# Altium PCB RP2040_GSM.PcbDoc (part 3 of 4)
Units mil, origin at the board's own origin, x right, y up, seen from the top; angles counter-clockwise.
Board outline 6397 x 3950 mil, 4 copper layers (Top Layer, GND_LAYER, PWR_LAYER, Bottom Layer), stack 43.712 mil thick; 216 components, 143 nets, 777 pads, 222 vias.
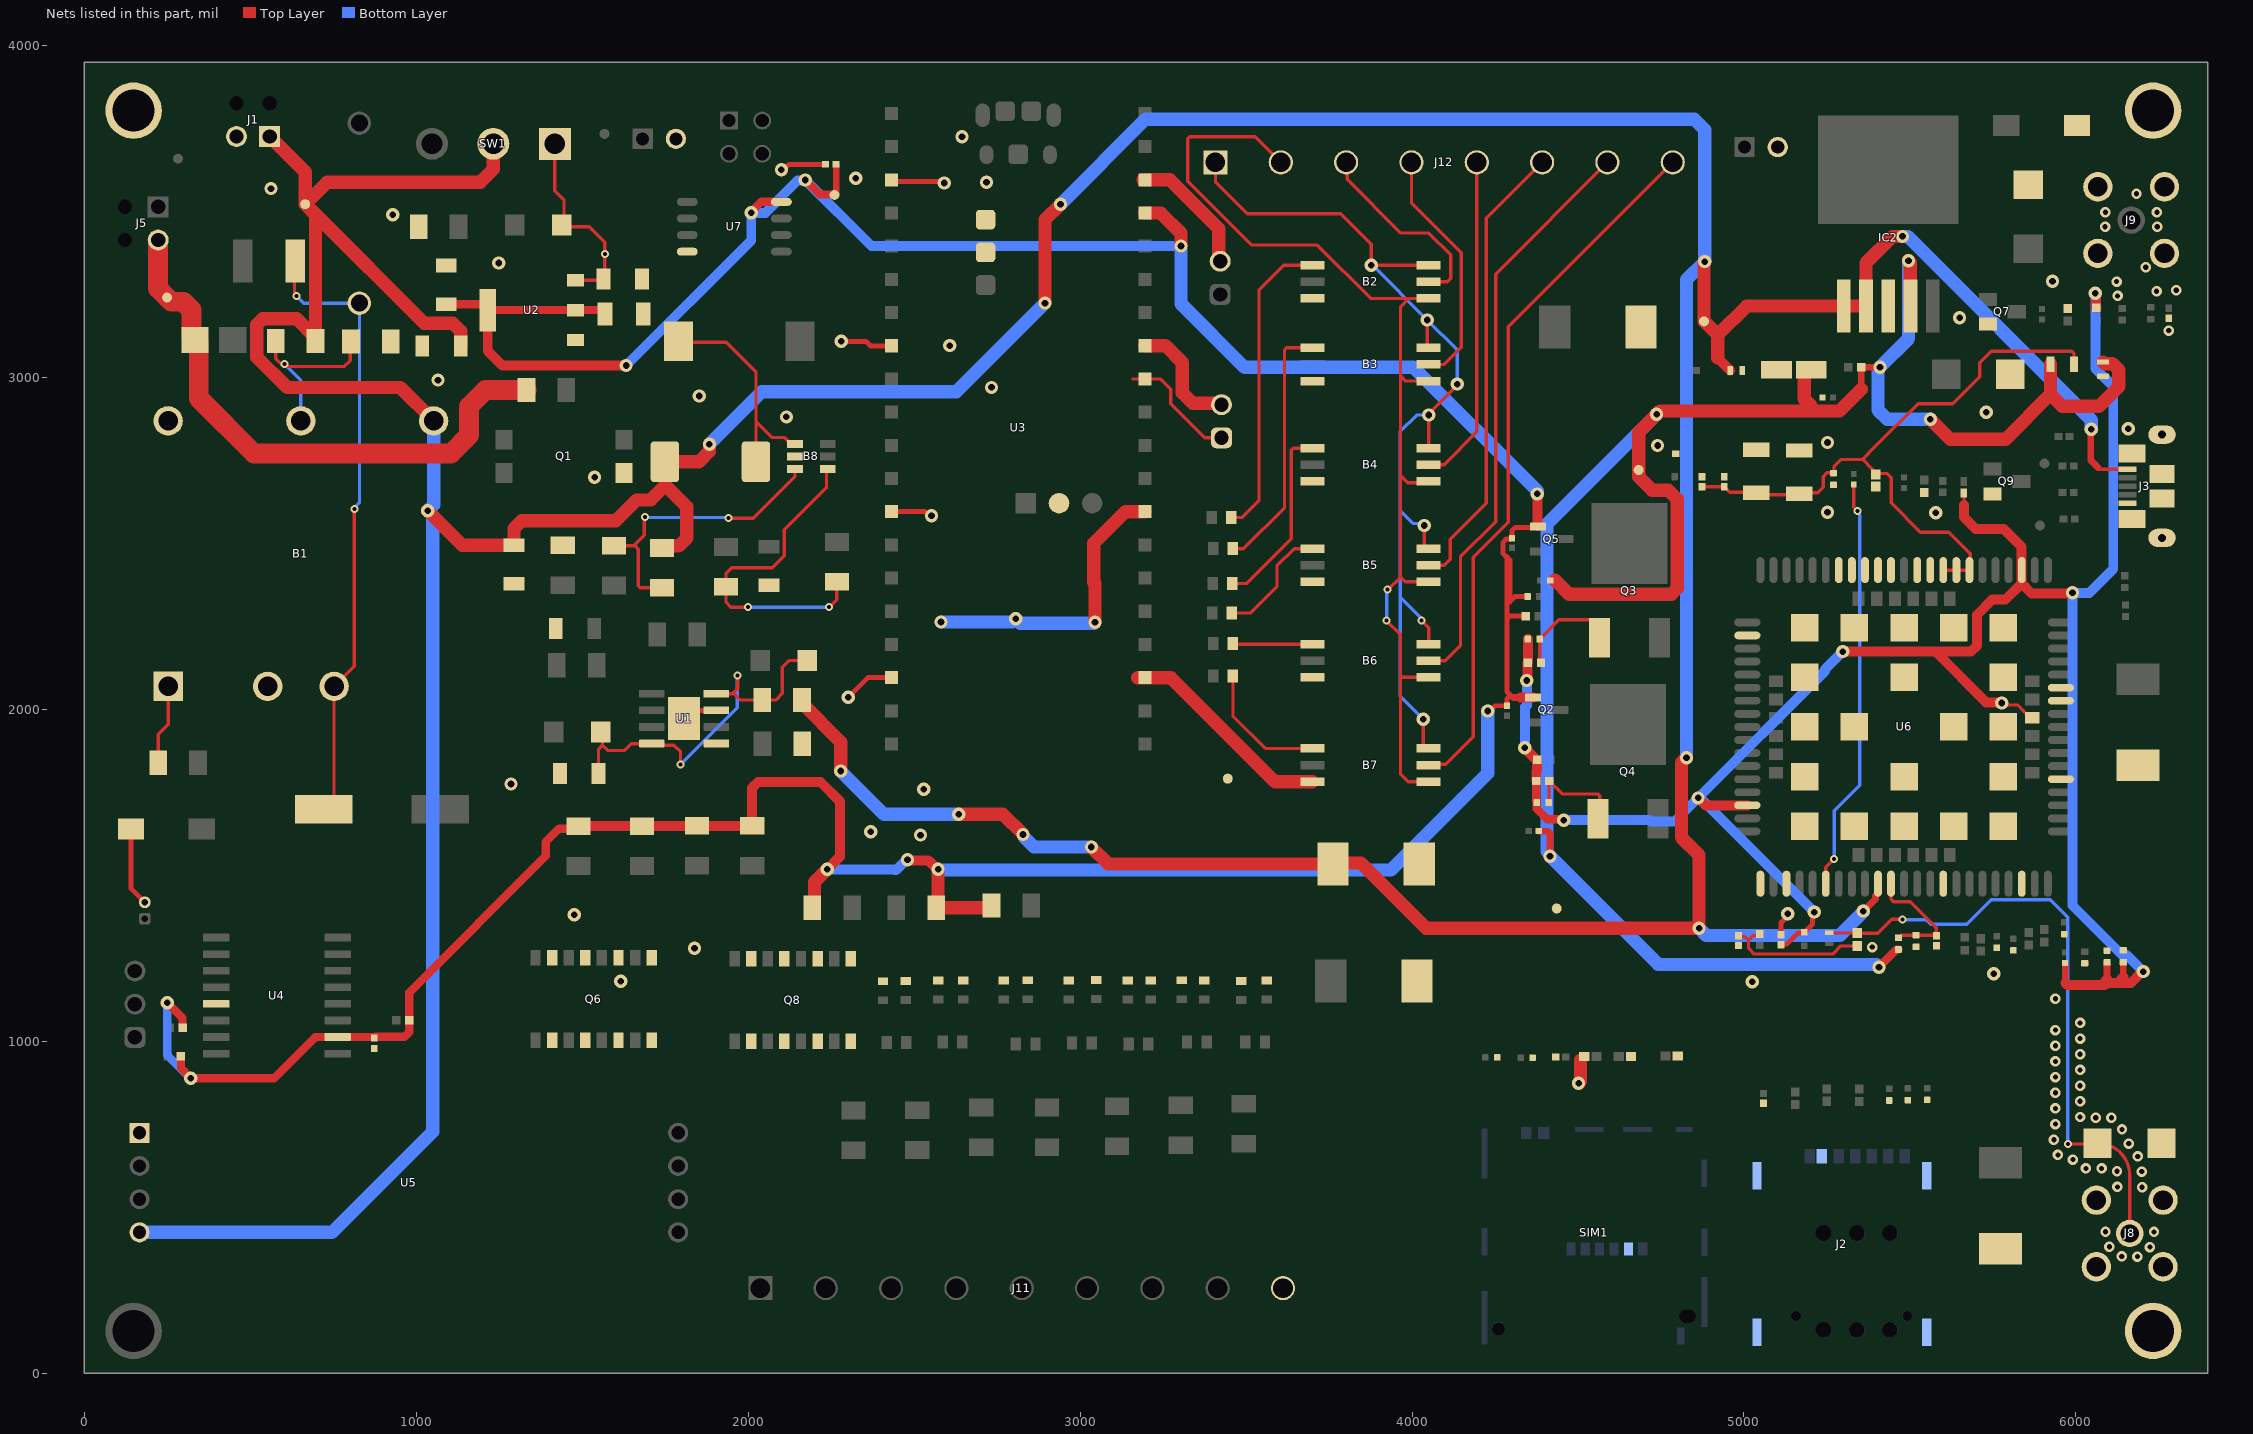
[diagram p5: the nets of this part, all layers, seen from the top]

## Part data
B1: "20W isolated DC-DC converter DIP package, Ultra-wide input and regulated single output", Manufacturer_Name="Mornsun Power", Datasheet Link=https://4donline.ihs.com/images/VipMasterIC/IC/MNSN/MNSN-S-A0014923150/MNSN-S-A0014923730-1.pdf?hkey=EF798316E3902B6ED9A73243A3159BB0, Geometry.Height=12.2mm, Manufacturer_Part_Number=URB2405YMD-20WR3
B2 B3 B4 B5 B6 B7: "Logic Output Optocouplers 1.0A Output Gate Driver Optocoupler", Manufacturer_Name=onsemi, Mouser Part Number=512-FOD8314, Arrow Part Number=FOD8314, Arrow Price/Stock=https://www.arrow.com/en/products/fod8314/on-semiconductor?region=nac, Datasheet Link=https://componentsearchengine.com/Datasheets/1/FOD8314.pdf, Geometry.Height=3.48mm, Manufacturer_Part_Number=FOD8314, Mouser Price/Stock=https://www.mouser.com/Search/Refine.aspx?Keyword=512-FOD8314
B8: "High Efficiency 1.2MHz 2A Step Up Converter", Manufacturer_Name=Aerosemi, Datasheet Link=https://www.olimex.com/Products/Breadboarding/BB-PWR-3608/resources/MT3608.pdf, Geometry.Height=1.45mm, Manufacturer_Part_Number=MT3608
C1 C3 C4 C5 C9 C29 C30: library part CMP-06035-048951-1, "CAP CER 10UF 50V X5R 1206", Capacitance=10uF, Case Code (Imperial)=1206, Case Code (Metric)=3216, Max Operating Temperature=85°C, Min Operating Temperature=-55°C, Ratings=AEC-Q200, Tolerance=20%, VOLTAGE RATING=50V, Case/Package=1206, Length=0.126inch, MOUNT="Surface Mount", Packaging="Tape and Reel", Thickness=0.071inch, Width=0.063inch
C2: "22ÂµF Molded Tantalum Capacitors 10V 1206 (3216 Metric)", PACKAGE="1206 Rohm", Availability=Unavailable, MF=Rohm, MP=TCA1A226M8R, Price=None, SnapEDA_Link=https://www.snapeda.com/parts/TCA1A226M8R/Rohm/view-part/1738219/?ref=snap
C6: library part CMP-2000-05172-1, "Capacitor, Tantalum, 10 uF, +/- 10%, 10 V, -55 to 125 degC, 2-Pin SMD (1206), RoHS, Tape and Reel", Capacitance=10µF, ESR (Equivalent Series Resistance)=3.8Ohm, Lifetime @ Temp.=2000Hrs@85degC, MANUFACTURER=Kemet, Manufacturer Size Code=A, Operating Temperature=-55degC~125degC, Package / Case=1206(3216Metric), Package Description="2-Pin Surface Mount Device, Body 3.2 x 1.6 mm", Package Reference=1206, Standard Package=2,000, Tolerance=±10%, Voltage - Rated=10V, Catalog Drawings=T49x,T5xxSeries_A-side1T49x,T5xxSeries_A,B-side2T49x,T5xxSeries_A,SBottom, Category=Capacitors, Datasheet URL=http://www.farnell.com/datasheets/1824869.pdf, Datasheet Version=Apr-14, Family=TantalumCapacitors, Features=GeneralPurpose, Height - Seated (Max)="0.071\"(1.80mm)", Lead Spacing=-, Manufacturer URL=http://www.kemet.com/, Mounting Type=SurfaceMount, Online Catalog=T491Series, Other Names=399-3684-2, Packaging=Tape&Reel(TR), Product Training Modules=CapacitorBasics-TypicalUsesforCapacitorsDeratingGuidelinesforSurfaceMountTantalumCapacitors, Series=T491, Size / Dimension="0.126\"Lx0.063\"W(3.20mmx1.60mm)", Type=Molded
C7: library part CMP-13271-000002-1, "CAP CER 10UF 10V X5R 0402", MANUFACTURER=Samsung, Manufacturer Part Number=CL05A106MP5NUNC, TEMPERATURE="-55°C to +85°C", Temperature Characteristic=X5R, Temperature Coefficient=15%, Temperature Range High=+85°C, Temperature Range Low=-55°C, Tolerance=20%, VOLTAGE RATING=10V, Automotive=No, Capacitance=10uF, Category=Cap, ComponentLink2Description=Datasheet, ComponentLink2URL=http://www.samsungsem.com/kr/support/product-search/mlcc/__icsFiles/afieldfile/2019/05/10/19-CL05A106MP5NUNC.pdf, Device Class L1="Passive Components", Device Class L2=Capacitors, Device Class L3="Ceramic Capacitors", Digikey Description="CAP CER 10UF 10V X5R 0402", Height=0.7mm, Ipc Land Pattern Name=CAPC10050X50, Lead Free=Yes, Material=Ceramic, Octopart=https://octopart.com/cl05a106mp5nunc-samsung-22457395, PACKAGE=CL05A106MP5NUNC, RoHS=TRUE
C8: library part CMP-33769-000007-1, "CAP ALUM POLY 100UF 20% 50V SMD", Capacitance=100uF, Case/Package=Radial, ESR (Equivalent Series Resistance)=25mR, Max Operating Temperature=125°C, Min Operating Temperature=-55°C, Ratings=AEC-Q200, Resistor Type=Hybrid, Tolerance=20%, VOLTAGE RATING=50V, Life (Hours)=4000Hour, MOUNT="Surface Mount", Packaging="Cut Tape", RoHS Compliant=Yes
C10 C36: library part CMP-2008-02046-2, "CAP CER 0.1UF 10V X5R 0402", Capacitance="0.10 μF", MANUFACTURER=Kemet, Manufacturer Part Number=C0402C104K8PACTU, PACKAGE=C0402-BB, TEMPERATURE="-55°C to +125°C", Temperature Characteristic=X5R, Temperature Coefficient=15%, Temperature Range High=+125°C, Temperature Range Low=-55°C, Tolerance=0.1, VOLTAGE RATING="10 V", Automotive=No, Category=Cap, ComponentLink2Description=Datasheet, ComponentLink2URL=https://content.kemet.com/datasheets/KEM_C1002_X7R_SMD.pdf, Device Class L1="Passive Components", Device Class L2=Capacitors, Device Class L3="Ceramic Capacitors", Digikey Description="CAP CER 0.1UF 10V X5R 0402", Height=0.55mm, Ipc Land Pattern Name=CAPC10050X50, Lead Free=Yes, Material=Ceramic, Mouser Description="Capacitor 100 nF 10 VDC 0402", Octopart=https://octopart.com/c0402c104k8pactu-kemet-140039, RoHS=TRUE
C11 C13: library part CMP-001-00066-3, "Chip Capacitor, 1nF +/-20%, 50V, 0402, Thickness 0.33 mm", Case/Package=0402, Max Operating Temperature=85°C, Min Operating Temperature=-55°C, Tolerance=10%, VOLTAGE RATING=50V, Mounting Technology=SMT, Pins=2
C12: library part CMP-001-00068-4, "Chip Capacitor, 470pF +/-20%, 50V, 0402, Thickness 0.6 mm", Case/Package=0402, Max Operating Temperature=85°C, Min Operating Temperature=-55°C, Tolerance=20%, VOLTAGE RATING=50V, Mounting Technology=SMT, Pins=2
C14 C15 C17 C20 C27 C28 C31 C32: library part CMP-0001-00074-2, MANUFACTURER=Kemet, Part Number=C0402C104K4RACTU
C16: library part CMP-2008-03915-1, MANUFACTURER=Murata, Part Number=GRM1555C1H101JA01D
C18: library part CMP-2008-02637-2, "General Purpose Ceramic Capacitor, 0402, 33pF, 5%, C0G, 30ppm/°C, 50V", Capacitance=33pF, Case Code (Imperial)=0402, Case Code (Metric)=1005, Dielectric=C0G, Insulation Resistance=100GR, Max Operating Temperature=125°C, Min Operating Temperature=-55°C, Package Quantity=1, Temperature Coefficient=30ppm/°C, Tolerance=5%, Voltage=50V, Case/Package=0402, Construction=Flat, Contact Plating=Tin, Depth=0.5mm, Height=0.5mm, Lead Free="Lead Free", Length=1mm, MOUNT="Surface Mount", Number of Pins=2, Packaging="Tape and Reel", Radiation Hardening=No, REACH SVHC="No SVHC", RoHS Compliant=Yes, Series=-, Termination=SMD/SMT, Thickness=0.022inch, VOLTAGE RATING=50V, Voltage Rating (DC)=50V, Width=0.5mm
C19 C33 C34 C35: library part CMP-001-00063-3, "Chip Capacitor, 1µF +/-20%, 10V, 0402, Thickness 0.6 mm", Case/Package=0402, Max Operating Temperature=85°C, Min Operating Temperature=-55°C, Tolerance=10%, VOLTAGE RATING=10V, Mounting Technology=SMT, Pins=2
C21: library part CMP-001-00011-6, "Chip Capacitor, 10 pF, +/- 0.25 pF, 50 V, 0402 (1005 Metric)", Capacitor Type=Ceramic, Case/Package=0402, Max Operating Temperature=125°C, Min Operating Temperature=-55°C, Tolerance=0.25%, VOLTAGE RATING=50V, Mounting Technology=SM, Pins=2, RoHS Compliant=True
C22 C23: library part CMP-2000-05259-2, "CAP CER 100UF 6.3V X5R 1210", 3DS Part Number=220-00002, MANUFACTURER=Murata, Manufacturer Part Number=GRM32ER60J107ME20L, PACKAGE=GRM32-0.3, TEMPERATURE="-55°C to +85°C", Temperature Characteristic=X5R, Temperature Coefficient=15%, Temperature Range High=+85°C, Temperature Range Low=-55°C, Tolerance=20%, Voltage=6.3V, Automotive=No, Capacitance=100uF, Category=Cap, ComponentLink2Description=Datasheet, ComponentLink2URL=https://search.murata.co.jp/Ceramy/image/img/A01X/G101/ENG/GRM32ER60J107ME20-01.pdf, Device Class L1="Passive Components", Device Class L2=Capacitors, Device Class L3="Ceramic Capacitors", Digikey Description="CAP CER 100UF 6.3V X5R 1210", Height=2.7mm, Ipc Land Pattern Name=CAPC320250X250, Lead Free=Yes, Material=Ceramic, Octopart=https://octopart.com/grm32er60j107me20l-murata-197007, RoHS=TRUE, VOLTAGE RATING=6.3V
C24 C25 C26: library part CMP-2008-02637-2, "General Purpose Ceramic Capacitor, 0402, 33pF, 5%, C0G, 30ppm/°C, 50V", Case Code (Imperial)=0402, Case Code (Metric)=1005, Dielectric=C0G, Insulation Resistance=100GR, Max Operating Temperature=125°C, Min Operating Temperature=-55°C, Package Quantity=1, Temperature Coefficient=30ppm/°C, Tolerance=5%, Voltage=50V, Capacitance=33pF, Case/Package=0402, Construction=Flat, Contact Plating=Tin, Depth=0.5mm, Height=0.5mm, Lead Free="Lead Free", Length=1mm, MOUNT="Surface Mount", Number of Pins=2, Packaging="Tape and Reel", Radiation Hardening=No, REACH SVHC="No SVHC", RoHS Compliant=Yes, Series=-, Termination=SMD/SMT, Thickness=0.022inch, VOLTAGE RATING=50V, Voltage Rating (DC)=50V, Width=0.5mm
CN1 CN2: library part CMP-1502-00584-2, "CONN HEADER VERT 2POS 2.54MM", Color=Beige, Current Rating=3A, Flammability Rating="UL94 V-0", Insulation Resistance=1GR, Max Operating Temperature=105°C, Min Operating Temperature=-40°C, Package Quantity=1000, VOLTAGE RATING=250V, Connector Type=Header, Contact Finish - Mating=TIN, Contact Gender=Male, Contact Material="Copper Alloy", Contact Mating Length=0.295inch, Contact Plating=Tin, Contact Shape=Square, Contact Type="Male Pin", Fastening Type=Friction, Gender=Male, Height=14.2mm, Housing Material=Nylon, Insulation Color=Beige, Insulation Material=Nylon, Length=5.8mm, MOUNT="Through Hole", Number of Contacts=2, Number of Positions=2, Number of Rows=1, Packaging=Bulk, Pitch=2.54mm, RoHS Compliant=Yes, Series=WR-WTB, Termination="Through Hole", Width=5.12mm
D1 D2 DS1: library part CMP-22017-000041-1, "LED RED CLEAR CHIP SMD", Case Code (Imperial)=1206, Case Code (Metric)=3216, Color=Red, Forward Current=30mA, Forward Voltage=2V, Lens Color=Colorless, Max Operating Temperature=85°C, Min Operating Temperature=-55°C, Package Quantity=1, Power Dissipation=75mW, Reverse Voltage=5V, Test Current=20mA, Case/Package=1206, Depth=1.6mm, Dominant Wavelength=631nm, Height=1.1mm, Illumination Color=Red, Lead Free="Lead Free", Length=3.2mm, Lens Style=Diffused, Lens Transparency=Clear, Luminous Intensity=54mcd, MOUNT="Surface Mount", Number of Elements=1, Number of LEDs=1, Number of Pins=2, Packaging="Tape and Reel", Power Rating=75mW, Radiation Hardening=No, RoHS Compliant=Yes, Viewing Angle=130°, Wavelength=639nm, Width=1.6mm
D3: library part CMP-12389-000001-1, "Rectifier, 1Kv, 1A, Do-214Ac Rohs Compliant: Yes"
D4: library part CMP-1061-00690-1, "600 W Peak Power Transient Voltage Suppressor, 2-Pin Surmetic(TM) 40, Pb-Free, Tape and Reel", MANUFACTURER="On Semiconductor", ComponentLink1Description="Manufacturer URL", ComponentLink1URL=http://www.onsemi.com/, ComponentLink2Description=Datasheet, ComponentLink2URL=http://www.onsemi.com/pub_link/Collateral/P6KE6.8A-D.PDF, ComponentLink3Description="Package Specification", ComponentLink3URL=http://www.onsemi.cn/pub_link/Collateral/017AA.PDF, DatasheetVersion="Rev. 10", Direction=Unidirectional, IR Max (uA)=5, Mounting Technology="Through Hole", PackageDescription="2-Pin, Axial Lead, Diameter 3.49 mm", PackageReference=SURMETIC40-2-017AA-01, PackageVersion="Rev. O, 09/2005", Packing="Tape and Reel", PartNumber=P6KE36ARLG, PPK Max (W)=600, RoHS=Pb-Free, V(BR) Typ (V)=36
D5: library part CMP-004-00023-3, "TVS DIODE 22V 41V 1610", Case/Package="QFN1610 (0603)", Max Surge Current=35A, Peak Inverse Voltage=23.3V, Mounting Technology=SMT, Pins=2, RoHS Compliant=Yes
D6 D11 D13: library part CMP-08607-000057-1, "TVS DIODE 28V 45.4V DO214AA", Breakdown Voltage=31.1V, Clamping Voltage=45.4V, MANUFACTURER="Littelfuse Inc", Max Junction Temp=+150°C, PACKAGE=SMBJ-CA, Peak Pulse Current=13.3A, Peak Pulse Power=600W, Reverse Standoff Voltage=28V, TEMPERATURE="-65°C to +150°C", Temperature Range Low=-65°C, Automotive=No, Category=Diode, ComponentLink2Description=Datasheet, ComponentLink2URL=https://www.littelfuse.com/~/media/electronics/datasheets/tvs_diodes/littelfuse_tvs_diode_smbj_datasheet.pdf.pdf, Device Class L1="Circuit Protection", Device Class L2="TVS Diodes", Device Class L3=unset, Digikey Description="TVS DIODE 28V 45.4V DO214AA", Direction=Bidirectional, Height=2.61mm, Lead Free=Yes, Manufacturer Part Number=SMBJ28CA, Mouser Description="In a Pack of 10, Littelfuse SMBJ28CA, Bi-Directional TVS Diode, 600W, 2-Pin DO-214AA", Number Of Channels=1, Octopart=https://octopart.com/smbj28ca-littelfuse-350757, RoHS=TRUE, Temperature Range High=+150°C
D7: "Diode Schottky 40 V 3A Surface Mount DO-214AB (SMC)", PACKAGE=None, Availability="In Stock", Check_prices=https://www.snapeda.com/parts/SS34-E3/57T/General+Semiconductor/view-part/?ref=eda, MF="Vishay General Semiconductor", MP=SS34-E3/57T, Price=None, Purchase-URL=https://pricing.snapeda.com/search/part/SS34-E3/57T/?ref=eda, SnapEDA_Link=https://www.snapeda.com/parts/SS34-E3/57T/General+Semiconductor/view-part/?ref=snap
D8 D9 D10 D12 D15: library part CMP-2000-07111-1, "Transient Voltage Suppression Diode, 60 V, -65 to 150 degC, 2-Pin DO-214AB (SMCJ), RoHS, Tape and Reel", Capacitance @ Frequency=-, Current - Peak Pulse (10/1000µs)=145.7A, MANUFACTURER=Littelfuse, Operating Temperature=-55°C~150°C(TJ), Package / Case=DO-214AB,SMC, Package Description="2-Pin Surface Mount Device, Body 6.855 x 5.905 mm", Package Reference=DO-214AB, Power - Peak Pulse=1500W(1.5kW), Power Line Protection=No, Standard Package=3,000, Supplier Device Package=DO-214AB(SMCJ), Voltage - Breakdown (Min)=6.67V, Voltage - Clamping (Max) @ Ipp=10.3V, Voltage - Reverse Standoff (Typ)=6V, Applications=GeneralPurpose, Bidirectional Channels=-, Catalog Drawings=SMCJDO-214ABSeries, Category=CircuitProtection, Datasheet URL=http://www.littelfuse.com/products/tvs-diodes/surface-mount/~/media/electronics/datasheets/tvs_diodes/littelfuse_tvs_diode_smcj_datasheet.pdf.pdf, Datasheet Version=11/2015, Family=TVS-Diodes, Featured Product=LittelfuseandDigi-KeyofferkitsforpopularTVSSMDdiodes, Manufacturer URL=http://www.littelfuse.com/, Mounting Technology=SurfaceMount, Mounting Type=SurfaceMount, Packaging=Tape&Reel(TR), Series=SMCJ, Type=Zener, Unidirectional Channels=1
D14: library part CMP-44529-000044-1, "LED GREEN CLEAR CHIP SMD", Case Code (Imperial)=0402, Case Code (Metric)=1005, Color=Green, Forward Current=20mA, Forward Voltage=2.1V, Lens Color=Clear, Max Operating Temperature=85°C, Min Operating Temperature=-40°C, Package Quantity=2000, Case/Package=0402, Dominant Wavelength=570nm, Height=0.6mm, Illumination Color=Green, Lead Free="Lead Free", Length=1mm, Lens Style=Clear, Luminous Intensity=50mcd, MOUNT="Surface Mount", Number of LEDs=1, Number of Pins=2, Packaging="Tape and Reel", Test Current=20mA, Viewing Angle=120°, Wavelength=570nm, Width=0.5mm
D16 D17 D18 D19 D20 D21 D22 D23: library part CMP-004-00030-3, "Single Line Low Capacitance Transil™, 5 V, -55 to 150 degC, 2-Pin SOD-882, RoHS, Tape and Reel", Mounting Technology=SMT, Pins=2
DS2 DS3 DS4 DS5 DS6 DS7 DS8 DS10 DS11 DS12 DS13 DS14 DS15 DS16: library part CMP-007-00030-2, "Red Led, 20mA, 2.1 V, -40 to 100 degC, 2-Pin SMD (0603), RoHS, Tape and Reel", Case/Package=0603, Colour=Red, Forward Current=20mA, Forward Voltage=2.1V, MANUFACTURER="Vishay Semiconductor", Max Operating Temperature=100°C, Min Operating Temperature=-40°C, Package Description="2-Pin Surface Mount Device, Body 1.6 x 0.8 mm", Package Quantity=3000, Package Reference=TLMX1100, Power=90mW, Datasheet URL=http://www.vishay.com/docs/83173/tlmb1100.pdf, Datasheet Version="Rev. 2.7, 03/2016", Illumination Colour=Red, Lens Style=Clear, Luminous Intensity=63mcd, Manufacturer URL=http://www.vishay.com/, Mounting Technology=SM, Nominal Vf=2.1V, Packaging=TapeandReel, Pins=2, RoHS Compliant=True, Viewing Angle=160degrees
FB1: library part CMP-0686-00620-3, "Chip Ferrite Bead, 0805, 30Ω @ 100MHz, 0.014Ω, , 4A", Case Code (Imperial)=0805, Case Code (Metric)=2012, Current Rating=4A, DC Current=3A, DC Resistance (DCR)=14mR, Frequency=100MHz, Max Operating Temperature=125°C, Min Operating Temperature=-55°C, Package Quantity=1, Resistance=15mR, Tolerance=25%, Case/Package=0805, Core Material=Ferrite, DC Resistance-Max=14mR, Depth=1.25mm, Height=0.85mm, Impedance=30R, Lead Free="Lead Free", Length=2mm, Material=Steel, Max Current Rating=4A, Max DC Current=3A, Military Standard=Not, Number of Circuits=1, Number of Lines=1, Number of Pins=2, Packaging="Tape and Reel", Radiation Hardening=No, REACH SVHC="No SVHC", RoHS Compliant=Yes, Series=BLM21P, Shielding=Unshielded, Termination=SMD/SMT, Test Frequency=100MHz, Width=1.25mm
IC2: "Linear Voltage Regulator IC Positive Adjustable 1 Output 3A TO-263-5", PACKAGE="TO-263-6 Microchip Technology / Micrel", Check_prices=https://www.snapeda.com/parts/MIC29302WU/Microchip/view-part/?ref=eda, MF="Microchip Technology", MP=MIC29302WU, SnapEDA_Link=https://www.snapeda.com/parts/MIC29302WU/Microchip/view-part/?ref=snap
J1 J5: library part CMP-2000-05299-1, "Male Header, Pitch 2.54 mm, 1 x 2 Position, Height 9 mm, Tail Length 3.5 mm", Colour=Green, MANUFACTURER="Phoenix Contact", Content=250pc(s), Datasheet URL=http://datasheet.octopart.com/1725656-Phoenix-Contact-datasheet-5302866.pdf, Datasheet Version=Apr-08, Industrial packaging=Yes, Manufacturer part No.=1725656, Manufacturer URL=http://www.phoenixcontact.com/, Number of Contacts=2, Pitch=2.54mm, Type=MPT0,5/2-2,54
J2: "PUSH-PUSH NANO SIM CONNECTOR", PACKAGE=None, Availability=Unavailable, MP=2336582-1, Price=None
J3 J7 J12: PACKAGE=None, Availability=Unavailable, Price=None
  J3: MP=1932788-1
  J7: MF=Samtec, MP=MTSW-102-X-X-D-X
  J12: MP=796683-8
J8 J9: "RP-SMA Female Right-Angle Through-Hole Mount Connector, Gold", PACKAGE=None, Check_prices=https://www.snapeda.com/parts/CONREVSMA002-G/Linx+Technologies+Inc./view-part/?ref=eda, MF="Linx Technologies", MP=CONREVSMA002-G, SnapEDA_Link=https://www.snapeda.com/parts/CONREVSMA002-G/Linx+Technologies+Inc./view-part/?ref=snap
J11: "9 Position Wire to Board Terminal Block Horizontal with Board 0.197 (5.00mm) Through Hole", PACKAGE=None, Availability=Warning, Check_prices=https://www.snapeda.com/parts/796683-9/TE%20Connectivity/view-part/2387175/?ref=eda, DigiKey-Purchase-URL=https://snapeda.com/shop?store=DigiKey&id=2387175, EU_RoHS_Compliance="Compliant with Exemptions", MF="TE Connectivity", MP=796683-9, Price=None, SnapEDA_Link=https://www.snapeda.com/parts/796683-9/TE%20Connectivity/view-part/2387175/?ref=snap
L1: library part CMP-06042-006618-1, "Wire Wound RF Inductor 47nH ±2% 210mA 1.08Ω 0402 (1005)", Case Code (Imperial)=0402, Case Code (Metric)=1005, Current=600mA, Current Rating=210mA, DC Resistance (DCR)=1.08R, Inductance=47nH, Inductance Tolerance=2%, Max Operating Temperature=125°C, Min Operating Temperature=-55°C, Package Quantity=10000, Self Resonant Frequency=2.9GHz, Test Frequency=100MHz, Case/Package=0402, Core Material=Air, DC Current=210mA, Depth=0.6mm, Height=0.5mm, Lead Free="Lead Free", Length=1mm, Max DC Current=210mA, Military Standard=Not, MOUNT="Surface Mount", Number of Pins=2, Packaging="Tape and Reel", Q Factor=25, Radiation Hardening=No, REACH SVHC="No SVHC", Shielding=Unshielded, Termination=SMD/SMT, Tolerance=2%, Weight=2.8E-05oz, Width=0.02inch
L2: library part CDRH104RNP-220NC, "Fixed Inductors 22uH 2.5A", Manufacturer_Name=Sumida, Mouser Part Number=851-CDRH104RNP-220NC, Arrow Part Number=CDRH104RNP-220NC, Arrow Price/Stock=https://www.arrow.com/en/products/cdrh104rnp-220nc/sumida?region=nac, Datasheet Link=http://products.sumida.com/products/pdf/CDRH104R.pdf, Geometry.Height=4mm, Manufacturer_Part_Number=CDRH104RNP-220NC, Mouser Price/Stock=https://www.mouser.co.uk/ProductDetail/Sumida/CDRH104RNP-220NC?qs=iXFGfj0UVr7lF4yqUlpBKQ%3D%3D
P2 P3: library part CMP-1712-00002-6, Color=Black, Contact Resistance=20mΩ, Current Rating=3A, Max Operating Temperature=125°C, Min Operating Temperature=-40°C, Operating Supply Voltage=250V, Connector Type="Male Pin", Contact Gender=Male, Contact Material=Copper, Contact Mating Length=5.9944mm, Contact Plating=Gold, Gender=Male, Height=8.94mm, Housing Material=PBT, Lead Free="Lead Free", Lead Pitch=2.54mm, MOUNT="Through Hole", NexarPartId=20081794, Number of Contacts=2, Number of Pins=2, Number of Positions=2, Number of Rows=1, Orientation=Vertical, Packaging=Bulk, Pitch=2.54mm, REACH SVHC="No SVHC", RoHS=Compliant, Termination="Through Hole", VOLTAGE RATING=250V
P4: library part CMP-1502-00739-2, Current Rating=1A, Insulation Resistance=100MΩ, Max Operating Temperature=85°C, Min Operating Temperature=-40°C, Contact Plating=Tin, Gender=Male, Length=4.25mm, NexarPartId=116856437, Number of Pins=2, Pitch=1.25mm, RoHS=Compliant
P5: library part CMP-1502-01062-3, Color=Black, Contact Resistance=20mΩ, Current Rating=3A, Max Operating Temperature=105°C, Min Operating Temperature=-40°C, Operating Supply Voltage=250V, Connector Type="Male Pin", Contact Material=Copper, Contact Mating Length=5.9944mm, Contact Plating=Gold, Gender=Male, Height=8.94mm, Lead Free="Lead Free", Lead Pitch=2.54mm, MOUNT="Through Hole", NexarPartId=32855521, Number of Contacts=3, Number of Pins=3, Number of Positions=3, Number of Rows=1, Orientation=Vertical, Packaging=Bulk, Pitch=2.54mm, REACH SVHC=Unknown, RoHS=Compliant, Termination=Solder, VOLTAGE RATING=250V
PTC_F1: library part "Fuse 2", "PTC RESET FUSE 30V 500MA 1812", PACKAGE=SMT, ASSEMBLY_TYPE=SMT, MACRO="Power Management", MFG="Bel Fuse Inc.", MFG_PN=0ZCG0050AF2C
Q1: library part CMP-07144-000021-1, "OPTOISOLATOR 5KV TRANSISTOR 4SMD", Collector Emitter Voltage=70V, Emiiter Collector Voltage=6V, Forward Current=20mA, Forward Voltage=1.2V, Isolation Voltage=5000Vrms, MANUFACTURER="ON Semiconductor", Max Current Transfer Ratio=600%, Max Junction Temp=+125°C, Min Current Transfer Ratio=300%, PACKAGE=709AH, Power Dissipation=200mW, TEMPERATURE="-55°C to +110°C", Temperature Range High=+110°C, Temperature Range Low=-55°C, Automotive=No, Category=Trans, ComponentLink2Description=Datasheet, ComponentLink2URL=https://www.onsemi.com/pub/Collateral/FOD814-D.PDF, Device Class L1=Optoelectronics, Device Class L2=Optocouplers, Device Class L3=unset, Digikey Description="OPTOISOLATOR 5KV TRANSISTOR 4SMD", Footprint Url=https://www.onsemi.com/pub/Collateral/709AH.PDF, Height=4.35mm, Lead Free=Yes, Manufacturer Part Number=FOD817D3SD, Mouser Description="Transistor Output Optocouplers Phototransistor Output", Octopart=https://octopart.com/fod817d3sd-on+semiconductor-84327552, Reverse Voltage=6V, RoHS=TRUE, Standoff Height=0.35mm
Q2 Q5: "N-Channel 50V 220mA (Ta) 360mW (Ta) Surface Mount SOT-23-3", PACKAGE="SOT-23 ON Semiconductor", Availability=Good, Check_prices=https://www.snapeda.com/parts/BSS138/ON%20Semiconductor/view-part/4794929/?ref=eda, MF="ON Semiconductor", MP=BSS138, Price=None, Purchase-URL=https://pricing.snapeda.com/search/part/BSS138/?ref=eda, SnapEDA_Link=https://www.snapeda.com/parts/BSS138/ON%20Semiconductor/view-part/4794929/?ref=snap
Q3 Q4: library part CMP-1048-00190-1, "High Voltage Power Transistor, 3-Pin DPAK, Pb-Free, Tape and Reel", MANUFACTURER="On Semiconductor", ComponentLink1Description="Manufacturer URL", ComponentLink1URL=http://www.onsemi.com/, ComponentLink2Description=Datasheet, ComponentLink2URL=http://www.onsemi.cn/pub_link/Collateral/MJD47-D.PDF, ComponentLink3Description="Package Specification", ComponentLink3URL=http://www.onsemi.cn/pub_link/Collateral/369C.PDF, DatasheetVersion="Rev. 14", fT Min (MHz)=10, IC Continuous (A)=1, Mounting Technology="Surface Mount", PackageDescription="3-Pin Flange Mount, Body 6.54 x 6.095 mm, Pitch 2.29 mm", PackageReference=DPAK-3-369C-01, PackageVersion="Rev. E, 02/2014", Packing="Tape and Reel", PartNumber=MJD50T4G, Polarity=NPN, RoHS=TRUE
Q6 Q8: library part CMP-35887-000006-1, "OPTOISOLTR 2.5KV 4CH TRANS 16-SO", Ambient Temperature Range High=+110°C, Ambient Temperature Range Low=-55°C, Collector Emitter Voltage=80V, Emiiter Collector Voltage=7V, Forward Current=10mA, Forward Voltage=1.2V, Isolation Voltage=2500Vrms, MANUFACTURER=Toshiba, Manufacturer Part Number=TLP290-4(TP,E, Max Current Transfer Ratio=400%, Max Junction Temp=+125°C, Min Current Transfer Ratio=50%, PACKAGE=11-11F1, TEMPERATURE="-55°C to +110°C", Automotive=No, Category=Trans, ComponentLink2Description=Datasheet, ComponentLink2URL=https://toshiba.semicon-storage.com/info/docget.jsp?did=12855&prodName=TLP290-4, Device Class L1=Optoelectronics, Device Class L2=Optocouplers, Device Class L3=unset, Digikey Description="OPTOISOLTR 2.5KV 4CH TRANS 16-SO", Footprint Url=https://toshiba.semicon-storage.com/us/design-support/package/detail.SO16.html, Height=2.3mm, Lead Free=Yes, Mouser Description="Transistor Output Optocouplers X36 PBF Transistor Couplr ACInput 110C", Octopart=https://octopart.com/tlp290-4%28tp%2Ce-toshiba-33727646, RoHS=TRUE, Standoff Height=0.1mm, Temperature Range High=+110°C, Temperature Range Low=-55°C, Turn Off Delay Time=3us, Turn On Delay Time=3us
Q7 Q9: library part CMP-00278-84328379-1, "FSB560A Bipolar Transistors - BJT NPN Transistor Low Saturation", Case/Package=TO-236-3, Collector Base Voltage (VCBO)=80V, Collector Emitter Breakdown Voltage=60V, Collector Emitter Saturation Voltage=300mV, Current Rating=2A, Emitter Base Voltage (VEBO)=5V, Frequency=75MHz, Manufacturer Lifecycle Status=ACTIVE, Max Breakdown Voltage=25V, Max Operating Temperature=150°C, Max Power Dissipation=500mW, Min Operating Temperature=-55°C, Collector Emitter Voltage (VCEO)=60V, Element Configuration=Single, Gain Bandwidth Product=75MHz, Height=940µm, hFE Min=250, Lead Free="Lead Free", Length=2.92mm, Lifecycle Status=Production, Max Collector Current=2A, Max Frequency=75MHz, MOUNT="Surface Mount", NexarPartId=84328379, Number of Elements=1, Number of Pins=3, Polarity=NPN, Power Dissipation=500mW, Radiation Hardening=No, RoHS=Compliant, Schedule B=8541210080, Transition Frequency=75MHz, Voltage Rating (DC)=60V, Weight=30mg, Width=1.4mm
R1 R2 R3 R4 R5 R27 R28 R29 R30 R31 R32 R33 R34 R35 R37 R38 R43 R44 R46 R47 R48 R49 R51 R52 R54 R55 R56 R57: library part CMP-009-00002-5, "Chip Resistor, 0 Ohm, +/- 5%, 0.25 W, -55 to 155 degC, 1206 (3216 Metric)", Case/Package=1206, Max Operating Temperature=155°C, Min Operating Temperature=-55°C, Power=250mW, Tolerance=5%, VOLTAGE RATING=200V, Mounting Technology=SM, Pins=2, RoHS Compliant=True